# Altium PCB SwarmBotv1.PcbDoc (part 2 of 2)
Units mil, origin at the board's own origin, x right, y up, seen from the top; angles counter-clockwise.
Board outline 2362.21 x 3543.31 mil, 4 copper layers (L1 (signal), Int1 (GND), Int2 (PWR), L4 (signal)), stack 30.945 mil thick; 75 components, 57 nets, 268 pads, 175 vias.
Unrouted connection lines stored in the file: 7.
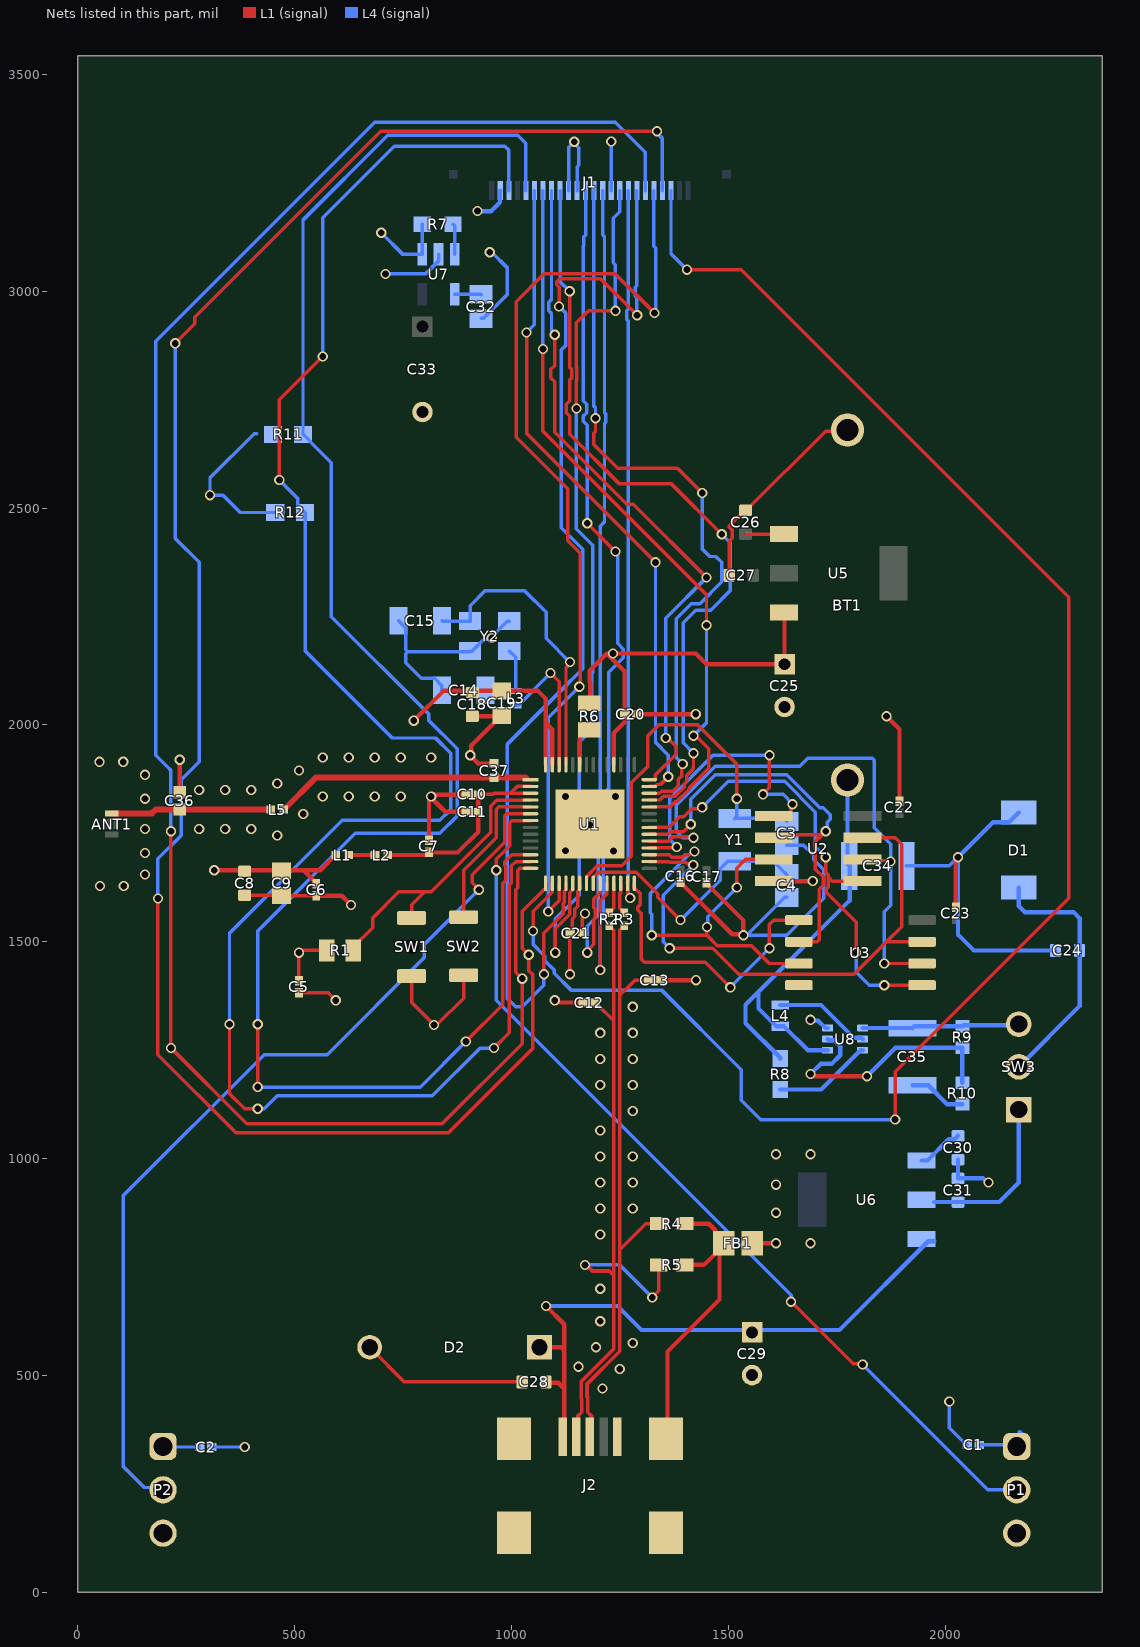
[diagram p4: the nets of this part, all layers, seen from the top]

## Via types
v1: diameter 23.62, hole 15.75, L1 (signal) to L4 (signal), 175 vias

## Nets (pads, with @x,y where several pads share a name; then routed paths per layer and width w, separated by ;. In a path a pad name is that pad's centre, name@x,y a point inside that pad or via, vN(x,y) a via of type N, cw(c..) or ccw(c..) an arc to the next point about the centre after c; other vN are vias at no path point) (continued)
3.3V: C1.1 C2.1 C5.1 C6.1 C8.1 C9.1 C18.1 C19.1 C20.1 C21.1 C24.1 C25.1 D1.1 J1.10 J1.11 L1.1 P1.1 P2.1 R1.1 R6.2 R7.1 R11.1 R12.1 SW3.2 U1.20 U1.46 U1.55 U1.56 U5.3 U7.1 | length 3795.6
  L1 (signal) w8: C5.1@510,1410 v1(510,1475) 513.16,1475 518.16,1480 R1.1@574.45,1480 ; v1(1135,1425) 1135,1509.8 1136.05,1510.85 C21.1@1136.05,1520 1140.03,1523.98 1140.03,1552.5 1146.19,1558.66 1146.19,1574.86 1153.02,1581.69 1153.02,1616.44 1157.48,1620.89 U1.20@1157.48,1634.76
  L1 (signal) w10: v1(315,1665) 520.75,1665 ; C6.1@550,1633.95 550,1635.75 520.75,1665 ; L1.1@595,1700 594.16,1700 559.16,1665 520.75,1665 ; v1(775,2010) 843.54,2078.54 C19.1@978.03,2078.54 1061.46,2078.54 1078.95,2061.05 1078.95,2005 ; U1.56@1078.74,1908.55 1078.84,1908.65 1078.84,2004.9 1078.95,2005 ; U1.55@1094.49,1908.55 1094.49,1989.46 1084.86,1999.09 1084.86,2000.89 1080.75,2005 1078.95,2005 ; R6.2@1180,2050.55 1181.56,2052.12 1181.56,2098.53 1180,2100.09 1180,2125 1220,2165 ; U1.46@1236.22,1908.55 1236.22,1981.22 1261.05,2006.05 C20.1@1261.05,2025 1261.05,2123.95 1220,2165 ; U5.3@1629.02,2259.45 1630,2258.46 C25.1@1630,2140 1450,2140 1425,2165 v1(1234.44,2165) 1220,2165
  L4 (signal) w8: P2.1@196.85,336.22 198.07,335 C2.1@281.05,335 ; 413.31,2671.69 406.69,2671.69 305,2570 v1(305,2530) 335,2530 375,2490 R12.1@455.48,2490 ; v1(700,3135) 750,3085 U7.1@795,3085 795,3154.57 R7.1@794.57,3155 ; J1.10@1131.89,3232.28 1131.89,3331.89 v1(1145,3345) 1145,3340.77 1155,3330.77 1155,3291.11 1151.57,3287.69 J1.11@1151.57,3232.28 ; C1.1@2078.95,340 2161.57,340 P1.1@2165.35,336.22
  L4 (signal) w10: SW3.2@2170,1211.57 2310.3,1351.87 2310.3,1554.5 2296.33,1568.47 2183.97,1568.47 2170,1582.44 D1.1@2170,1625 ; 2171.94,369.76 P1.1@2176.94,364.76
3.3VUSB: C31.1 SW3.1 U6.2 | length 381.8
  L4 (signal) w10: U6.2@1975,900 2125,900 2170,945 SW3.1@2170,1113.15
cam_reset: J1.6 U1.41 | length 1547.7
  L1 (signal) w8: v1(1035,2905) 1035,2672.38 v1(1332.38,2375) ; U1.41@1318,1858.27 1331.86,1858.27 1336.32,1862.73 1343.85,1862.73 v1(1361.9,1880.78)
  L4 (signal) w8: v1(1035,2905) 1053.15,2923.15 J1.6@1053.15,3232.28 ; v1(1332.38,2375) 1332.38,1960.14 1361.9,1930.62 v1(1361.9,1880.78)
GND: BT1.N C1.2 C2.2 C3.2 C4.2 C5.2 C6.2 C7.2 C8.2 C9.2 C10.2 C11.2 C12.2 C13.2 C14.2 C15.2 C16.2 C17.2 C18.2 C19.2 C20.2 C21.2 C22.2 C23.2 C24.2 C25.2 C26.2 C27.2 C28.2 C29.2 C30.2 C31.2 C32.2 C33.2 C34.2 C35.2 C36.2 C37.2 D1.2 D2.2 FB1.2 J1.2 J1.15 P1.3 P2.3 R10.2 SW1.2 SW2.2 U1.57 U2.4 U3.4 U7.2 U8.3 Y2.2 Y2.4 | length 6512.9
  L1 (signal) w8: C8.2@385,1607.44 469.02,1607.44 C9.2@470,1606.46 470.41,1606.05 C6.2@550,1606.05 ; C5.2@510,1382.1 577.9,1382.1 v1(595,1365) ; D2.2@673.27,565 753.27,485 C28.2@1024.88,485 ; SW1.2@770,1421.14 770,1360 v1(821.69,1308.31) 828.31,1308.31 890,1370 SW2.2@890,1423.07 ; C21.2@1163.95,1520 1163.95,1554.72 1170,1560.77 v1(1170,1565) ; C27.2@1502.44,2345 1502.44,2423.77 1508.81,2430.14 1508.81,2449.86 1502.44,2456.23 1502.44,2459.52 1538.04,2495.12 C26.2@1540,2495.12 1541.96,2495.12 1724.61,2677.77 1772.77,2677.77 BT1.N@1775,2680
  L1 (signal) w10: C36.2@235,1845 235.08,1845.08 235.08,1919.76 v1(235.16,1919.84) ; C6.2@550,1606.05 608.95,1606.05 v1(630,1585) ; C7.2@810,1733.95 810,1827.38 v1@815,1832.38 ; C11.2@896.05,1800 847.38,1800 v1@815,1832.38 ; C10.2@896.05,1840 895.23,1839.18 821.8,1839.18 817.62,1835 v1(815,1835) v1@815,1832.38 ; C18.2@910,2020 976.57,2020 C19.2@978.03,2021.46 976.06,2021.46 907.61,1953 907.61,1932.61 v1(905,1930) 924.25,1910.75 C37.2@960,1910.75 ; v1(1100,1365) 1102.62,1365 1107.62,1360 C12.2@1166.05,1360 ; v1(1125,1835) v1(1240,1835) 1235.36,1830.36 v1(1235.36,1709.36) 1234.72,1710 v1(1125,1710) 1115,1700 1115,1705 v1(1180,1770) 1181.1,1771.1 U1.57@1181.1,1771.65 ; C20.2@1288.95,2025 v1(1425,2025) ; C13.2@1344.51,1411.58 v1(1425.56,1411.58) ; C16.2@1390,1637.1 1390,1635.3 1394.11,1631.19 1395.91,1631.19 1509.5,1517.61 1532.39,1517.61 v1(1535,1515) 1535,1549.25 1450,1634.25 C17.2@1450,1636.05 ; FB1.2@1555,805 v1(1610,805) ; U2.4@1605,1640 v1(1695,1640) ; v1(1865,2020) 1895,1990 C22.2@1895,1823.95 ; C23.2@2025,1580 2025,1686.31 2030,1691.31 v1(2030,1695)
  L4 (signal) w8: C2.2@308.95,335 v1(385,335) ; v1(710,3040) 802,3040 832,3070 U7.2@832,3085 ; C15.2@739.8,2240 756.47,2223.33 756.47,2173.21 761.16,2168.53 ; C14.2@839.61,2080 839.61,2090.83 822.94,2107.5 792.5,2107.5 756.47,2143.53 756.47,2163.84 761.16,2168.53 ; C32.2@930,2937.44 934.92,2937.44 990,2992.52 990,3055 955,3090 v1(950,3090) ; Y2.4@995.28,2239.45 990.35,2239.45 954.64,2203.73 v1(954.64,2200.75) 951.65,2197.76 936.86,2197.76 909.65,2170.55 Y2.2@904.72,2170.55 902.7,2168.53 761.16,2168.53 ; J1.15@1230.32,3232.28 v1(1230.32,3345.32) ; v1(1535,1515) 1537.24,1517.24 1544.87,1517.24 1630.05,1602.41 C4.2@1635,1602.41 ; v1@1544.87,1515 1635,1515 1720,1600 1720,1666.33 1696.85,1689.48 1696.85,1699.26 1673.7,1722.41 C3.2@1635,1722.41 ; C34.2@1910.94,1675 2010,1675 v1(2030,1695) ; v1(2010,440) 2010,379.25 2049.25,340 C1.2@2051.05,340
  L4 (signal) w10: v1(922,3185) 953.38,3185 973.63,3205.25 973.63,3231.5 J1.2@974.41,3232.28 ; v1(1690,1320) 1691.85,1318.15 1707.4,1318.15 1724.37,1301.18 U8.3@1729.29,1301.18 ; C35.2@1925,1169.06 1961.44,1169.06 2004.86,1125.63 R10.2@2040,1125.63 ; C30.2@2030,997.44 C31.2@2030,954.61 2087.76,954.61 2097.38,945 v1(2100,945) ; D1.2@2170,1798.23 2147.44,1775.67 2110.67,1775.67 v1(2030,1695) 2030,1516.62 2066.62,1480 C24.2@2254.88,1480
  other v1: 1210,470 1250,515 1155,520 1195,565 1280,575 1205,625 1205,700 1690,805 1205,825 1610,875 1205,885 1280,885 1610,940 1205,945 1280,945 1205,1005 1280,1005 1610,1010 1690,1010 1205,1065 1280,1110 1205,1170 1280,1170 1205,1230 1280,1230 1205,1290 1280,1290 1280,1350 51.19,1628.84 106.19,1628.84 155,1655 155,1705 460,1745 155,1760 280,1760 340,1760 400,1760 520,1795 155,1830 565,1835 625,1835 685,1835 745,1835 280,1850 340,1850 400,1850 460,1865 155,1885 510,1895 50,1915 105,1915 565,1925 625,1925 685,1925 745,1925 815,1925
href: J1.9 U1.39 | length 1796.1
  L1 (signal) w8: v1(1134.41,3000) 1134.41,2824.26 1138.81,2819.86 1138.81,2800.14 1134.41,2795.74 1134.41,2748.08 1126.19,2739.86 1126.19,2720.14 1134.41,2711.92 1134.41,2670.59 1248.21,2556.79 1368.21,2556.79 v1(1485,2440) ; U1.39@1318,1826.77 1318.21,1826.98 1341.98,1826.98 1351.13,1836.13 1377.59,1836.13 1398.27,1856.81 1398.27,1863.33 1404.86,1869.93 1404.86,1883.57 1418.81,1897.52 1418.81,1901.19 1420,1902.38 v1(1420,1935)
  L4 (signal) w8: J1.9@1112.2,3232.28 1112.2,3022.2 v1(1134.41,3000) ; v1(1420,1935) 1396.19,1958.81 1396.19,2236.19 1425,2265 1460,2265 1505,2310 1505,2420 v1(1485,2440)
NetANT1_4: ANT1.4 C36.1 L5.2 | length 370.2
  L1 (signal) w13.52: ANT1.4@78.74,1796.26 170.94,1796.26 180,1805.32 180.16,1805.16 220,1805.16 444.94,1805.16 L5.2@445.1,1805
NetBT1_P: BT1.P C34.1 L4.1 R8.1 U8.1 | length 1015.1
  L4 (signal) w10: R8.1@1620,1230.43 1620,1232.4 1540,1312.4 1540,1355 1570,1385 ; U8.1@1729.29,1250 1683.86,1250 1628.86,1305 L4.1@1620,1305 1611.14,1305 1570,1346.14 1570,1385 ; BT1.P@1775,1872.91 1775,1680 1780,1675 1780,1595 1570,1385
NetC3_1: C3.1 U1.21 Y1.1 | length 934.6
  L1 (signal) w8: U1.21@1173.23,1634.76 1173.23,1649.78 1198.45,1675 1254.5,1675 1276.77,1697.27 1276.77,1866.77 1315,1905 1315,1975 1340,2000 1430,2000 1520,1910 v1(1520,1830)
  L4 (signal) w8: Y1.1@1515,1784.21 Y1.1@1515.79,1785 ; v1(1520,1830) 1520,1789.21 Y1.1@1515.79,1785 ; C3.1@1635,1777.59 1627.59,1785 Y1.1@1515.79,1785
NetC4_1: C4.1 U1.22 Y1.2 | length 586.2
  L1 (signal) w8: U1.22@1189.19,1648.83 1193.44,1653.08 1193.44,1653.72 1200.05,1660.33 1288.14,1660.33 1337.58,1610.9 1337.58,1602.42 v1(1390,1550)
  L4 (signal) w8: v1(1390,1550) 1481.6,1641.6 1481.6,1668.13 1499.25,1685.79 1604.21,1685.79 C4.1@1635,1655
NetC7_1: C7.1 C10.1 C11.1 L2.2 U1.2 U1.3 | length 478.8
  L1 (signal) w8: C10.1@923.95,1840 957.37,1840 959.93,1842.56 997.56,1842.56 ; U1.3@1030.13,1842.56 997.56,1842.56 ; U1.2@1044.21,1858.23 1013.23,1858.23 997.56,1842.56
  L1 (signal) w10: L2.2@715,1700 805.75,1700 810,1704.25 C7.1@810,1706.05 876.05,1706.05 923.95,1753.95 C11.1@923.95,1800 C10.1@923.95,1840
NetC14_1: C14.1 L3.2 Y2.1 | length 168.8
  L4 (signal) w8: C14.1@940,2080 941.54,2078.46 L3.2@1010,2078.46 1010,2155.83 Y2.1@995.28,2170.55
NetC15_1: C15.1 U1.53 Y2.3 | length 688.6
  L1 (signal) w8: U1.53@1125.98,1908.55 1125.98,2131.76 1135,2140.77 v1(1135,2145)
  L4 (signal) w8: C15.1@840.2,2240 840.75,2239.45 Y2.3@904.72,2239.45 904.72,2274.72 940,2310 1030,2310 1080,2260 1080,2200 v1(1135,2145)
NetC26_1: U5.1 | length 89.2
  L1 (signal) w8: 1540,2440 1628.46,2440 U5.1@1629.02,2440.55
NetC30_1: C30.1 U6.1 | length 107.6
  L4 (signal) w10: U6.1@1945.98,995.55 1959.76,995.55 2008.77,1044.56 2022,1044.56 C30.1@2030,1052.56
NetC32_1: C32.1 U7.4 | length 61.2
  L4 (signal) w8: U7.4@869,2993 929.56,2993 C32.1@930,2992.56
NetFB1_1: FB1.1 J2.5 J2.Shell R4.2 R5.2 | length 689.9
  L1 (signal) w10: J2.Shell@1360.2,366.99 1360.2,555.2 1480,675 FB1.1@1480,795.01 ; R5.2@1399.92,755 1443.95,755 FB1.1@1481.98,793.03 ; R4.2@1400,850 1454.98,850 1470.29,834.69 1470.29,824.7 FB1.1@1489.99,805
NetL1_2: L1.2 L2.1 | length 60.4
  L1 (signal) w10: L1.2@624.81,1700 L2.1@685.19,1700
NetL3_1: L3.1 U1.54 | length 331.4
  L1 (signal) w8: v1(1090,2120) 1110.24,2099.76 U1.54@1110.24,1908.55
  L4 (signal) w8: L3.1@1010,2045 1015.91,2045 1090,2119.09 v1(1090,2120)
NetL4_2: L4.2 U8.5 | length 222.6
  L4 (signal) w10: L4.2@1620,1354.21 1714.16,1354.21 1789.91,1278.46 1807.13,1278.46 U8.5@1810,1275.59
NetP1_2: P1.2 U1.7 | length 2149.2
  L1 (signal) w8: v1(965,1665) 965,1690 996.5,1721.5 996.5,1774.84 1001.19,1779.53 U1.7@1044.21,1779.53 ; v1(1645,670) 1788.16,526.84 1808.16,526.84 v1(1810,525)
  L4 (signal) w8: v1(965,1665) 965,1365 1645,685 v1(1645,670) ; v1(1810,525) 2098.78,236.22 P1.2@2165.35,236.22
NetP2_2: P2.2 U1.6 | length 2137.7
  L1 (signal) w8: v1(925,1620) 925,1620.89 910,1635.89 910,1655 985,1730 985,1790.59 989.69,1795.28 U1.6@1044.21,1795.28
  L4 (signal) w8: P2.2@196.85,236.22 191.43,241.65 153.35,241.65 105,290 105,915 430,1240 575,1240 798.73,1463.73 798.73,1493.73 v1(925,1620)
NetR1_2: R1.2 SW1.1 U1.4 | length 677.8
  L1 (signal) w8: R1.2@635.55,1480 635.55,1487.95 680,1532.39 680,1555 740,1615 800,1615 ; SW1.1@770,1555 770,1585 800,1615 ; U1.4@1044.21,1826.77 1044,1826.56 966.56,1826.56 952.5,1812.5 952.5,1752.5 815,1615 800,1615
NetR6_1: R6.1 U1.51 | length 94.9
  L1 (signal) w10: U1.51@1157.48,1908.55 1157.48,1966.93 1159.22,1968.66 1159.22,1976.61 1172.05,1989.45 R6.1@1180,1989.45
NetR7_2: R7.2 U7.3 | length 71.5
  L4 (signal) w8: R7.2@865.43,3155 869,3151.43 U7.3@869,3085
NetR8_2: R8.2 U8.6 | length 227.5
  L4 (signal) w10: R8.2@1620,1159.57 1714.65,1159.57 1805.08,1250 U8.6@1810,1250
NetR9_1: R9.1 R10.1 U8.2 | length 602.6
  L1 (signal) w10: v1(1690,1195) 1692.62,1195 1697.62,1190 v1(1820,1190)
  L4 (signal) w10: v1(1690,1195) 1713.43,1218.43 1738.43,1218.43 1758.3,1238.3 1758.3,1258.89 1744.48,1272.72 1732.17,1272.72 U8.2@1729.29,1275.59 ; v1(1820,1190) 1885.63,1255.63 R9.1@2040,1255.63 R10.1@2040,1175
NetSW2_1: SW2.1 U1.5 | length 360.8
  L1 (signal) w8: SW2.1@890,1556.93 890,1665 965,1740 965,1805 971.02,1811.02 U1.5@1044.21,1811.02
NetU1_28: U1.28 U3.1 | length 673.3
  L1 (signal) w8: U1.28@1283.46,1634.76 1283.46,1625.12 1283.68,1624.91 1283.77,1624.91 1297.72,1610.96 1297.72,1586.46 1291.45,1580.18 1291.45,1573.55 1300,1565 1300,1460 1306.73,1453.27 1446.73,1453.27 v1(1505,1395) ; v1(1595,1485) 1595,1540 1605,1550 U3.1@1663.07,1550
  L4 (signal) w8: v1(1505,1395) v1(1595,1485)
NetU1_30: U1.30 U2.7 U3.7 | length 1305.4
  L1 (signal) w8: U1.30@1318,1685.04 1363.09,1685.04 1364.73,1683.41 1402.22,1683.41 1405.69,1679.93 1416.34,1679.93 v1(1419.33,1676.94) ; v1(1365,1485) 1464.75,1485 1524.75,1425 1790,1425 1865,1500 ; U2.7@1809.72,1740 1885,1740 1900,1725 1900,1535 1865,1500 ; U3.7@1946.93,1500 1865,1500
  L4 (signal) w8: v1(1365,1485) 1350,1500 1350,1607.61 v1(1419.33,1676.94)
NetU1_31: U1.31 U2.3 U3.3 | length 995.4
  L1 (signal) w8: U1.31@1318,1700.79 1363.61,1700.79 1369.49,1694.91 1393.58,1694.91 1399.46,1700.79 1410.19,1700.79 1417.85,1708.45 v1(1422.08,1708.45) ; v1(1323.81,1515) 1451.01,1515 ; v1(1451.01,1533.99) 1451.01,1515 ; v1(1520,1625) 1520,1670 1540,1690 U2.3@1605,1690 ; U3.3@1663.07,1450 1595,1450 1553.81,1491.19 1474.82,1491.19 1451.01,1515
  L4 (signal) w8: v1(1323.81,1515) 1323.81,1563.35 1320,1567.16 1320,1611.28 1409.47,1700.75 1410.16,1700.75 1417.85,1708.45 v1(1422.08,1708.45) ; v1(1451.01,1533.99) 1452.8,1535.78 1452.8,1557.8 v1(1520,1625)
NetU1_32: U1.32 U2.1 | length 692.2
  L1 (signal) w8: U1.32@1318,1716.54 1318.21,1716.75 1379.56,1716.75 v1(1381.54,1718.72) ; v1(1580,1840) 1595,1855 v1(1595,1930) ; U2.1@1605,1790 1636.5,1790 1644.31,1797.81 1644.31,1809.06 1648.17,1812.92 v1(1648.17,1817.15)
  L4 (signal) w8: v1(1381.54,1718.72) 1381.54,1719.32 1365,1735.86 1365,1830 1465,1930 v1(1595,1930) ; v1(1580,1840) 1626.83,1840 1648.17,1818.67 v1(1648.17,1817.15)
NetU1_33: U1.33 U2.6 U3.6 | length 1361.6
  L1 (signal) w8: U1.33@1318,1732.28 1361.43,1732.28 1371.67,1742.53 1417.47,1742.53 v1(1420,1740) ; U2.6@1809.72,1690 1812.22,1687.5 1871.87,1687.5 v1(1874.37,1685) ; v1(1860,1450) U3.6@1946.93,1450
  L4 (signal) w8: v1(1420,1740) 1395,1740 1380,1755 1380,1815 1470,1905 1665,1905 1683.3,1923.3 1832.01,1923.3 1836.7,1918.61 1836.7,1763.3 1875,1725 v1@1875,1685 ; v1(1860,1450) 1860,1569.61 1875,1584.61 1875,1684.37 v1(1874.37,1685)
NetU1_34: U1.34 U2.2 U3.2 | length 1019.8
  L1 (signal) w8: U1.34@1318,1748.03 1360.91,1748.03 1366.91,1754.03 1396.82,1754.03 v1(1413.8,1771.01) ; U2.2@1605,1740 1612.19,1747.19 1712.96,1747.19 1720.77,1755 v1(1725,1755) ; U3.2@1663.07,1500 1705,1500 1710,1505 1710,1621.33 1718.81,1630.14 1718.81,1649.86 1701.19,1667.48 1701.19,1731.19 1715.08,1745.08
  L4 (signal) w8: v1(1413.8,1771.01) 1413.8,1828.8 1470,1885 1635,1885 1711.08,1808.92 1719.04,1808.92 1735,1792.96 1735,1782.81 1727.99,1775.8 1727.99,1757.99 v1(1725,1755)
NetU1_35: U1.35 U2.5 U3.5 | length 1115.9
  L1 (signal) w8: U1.35@1318,1763.78 1360.4,1763.78 1362.15,1765.53 1364.68,1765.53 1387.96,1788.81 1397.93,1788.81 1416.17,1807.05 1436.97,1807.05 v1(1439.96,1810.04) ; v1(1725,1695) 1725,1659.94 1730.31,1654.63 1730.31,1649.69 ; v1(1795,1475) 1795,1545 1725.78,1614.22 1725.78,1620.85 1730.31,1625.37 1730.31,1649.69 ; U2.5@1809.72,1640 1740,1640 1730.31,1649.69 ; v1(1860,1400) U3.5@1946.93,1400
  L4 (signal) w8: v1(1439.96,1810.04) 1499.91,1870 1630,1870 1701.19,1798.81 1701.19,1718.81 v1(1725,1695) ; v1(1795,1475) 1795,1430 1825,1400 v1(1860,1400)
pclk: J1.17 U1.27 | length 1672.1
  L1 (signal) w8: U1.27@1267.72,1634.76 1267.93,1634.55 1267.93,1611.31 1273.91,1605.33 v1(1273.91,1601.1)
  L4 (signal) w8: J1.17@1269.69,3232.28 1269.69,2958.36 1266.19,2954.86 1266.19,2935.14 1269.69,2931.64 1269.69,2179.69 1269.75,2179.63 1269.75,2150.37 1269.69,2150.31 1269.69,1613.6 1270.92,1612.36 1270.92,1604.09 v1(1273.91,1601.1)
pwdn: J1.8 U1.42 | length 1599
  L1 (signal) w8: v1(1100,2900.04) 1100,2828.67 1091.19,2819.86 1091.19,2800.14 1100,2791.33 1100,2675 1266.01,2508.99 1281.01,2508.99 v1(1450,2340) ; U1.42@1332.07,1874.23 1332.07,1884.62 1380,1932.55 1380,1951.33 1375.31,1956.01 1374.4,1956.01 1360.42,1970 v1(1356.19,1970)
  L4 (signal) w8: J1.8@1092.52,3232.28 1092.52,2981.19 1086.19,2974.86 1086.19,2955.14 1092.52,2948.81 1092.52,2907.52 v1(1100,2900.04) ; v1(1356.19,1970) 1356.19,2246.19 v1(1450,2340)
RF_I/O: C37.1 L5.1 U1.1 | length 591.8
  L1 (signal) w13.52: L5.1@474.9,1805 475.75,1805 550,1879.25 C37.1@960,1879.25 1032.57,1879.25 1034.83,1876.99 U1.1@1035,1876.99
SCL: J1.5 R11.2 U1.12 | length 4206.9
  L1 (signal) w8: v1(415,1165) v1(415,1310) ; v1(895,1270) 980,1355 980,1635 986.84,1641.84 986.84,1674.05 985,1675.89 985,1685 1000.79,1700.79 U1.12@1044.21,1700.79
  L4 (signal) w8: v1(415,1165) 790,1165 v1(895,1270) ; v1(415,1310) 415,1525 640,1750 835,1750 875,1790 875,1945 810,2010 810,2025 585,2250 585,2604.52 536.36,2653.16 536.36,2654.08 520.43,2670 R11.2@519.52,2670 519.52,3164.52 715,3360 1015,3360 1033.46,3341.54 J1.5@1033.46,3232.28
SDA: J1.3 R12.2 U1.13 | length 4389.5
  L1 (signal) w8: v1(350,1310) 350,1150 385,1115 v1(415,1115) ; v1(465,2565) 465,2750 v1(565,2850) ; v1(960,1255) 995,1290 995,1630 1000,1635 1000,1675 1010.04,1685.04 U1.13@1044.21,1685.04
  L4 (signal) w8: v1(350,1310) 350,1520 610,1780 835,1780 860,1805 860,1935 825,1970 725,1970 524.52,2170.48 R12.2@524.52,2490 523.6,2490 507.68,2505.92 507.68,2522.32 v1(465,2565) ; v1(415,1115) 430,1115 460,1145 817.89,1145 927.89,1255 v1(960,1255) ; v1(565,2850) 565,3170 730,3335 985,3335 994.09,3325.91 J1.3@994.09,3232.28
USB1_N: C12.1 J2.2 R2.2 R5.1 | length 1610.2
  L1 (signal) w8.56: J2.2@1153.5,371.91 1153.5,406.36 1162.47,415.32 1162.47,444.62 1161.03,446.06 1161.03,486.03 1236.28,561.28 1236.28,730 1236.1,730.18 ; v1(1170,755) 1173.01,755 1187.25,740.76 1225.52,740.76 1236.1,730.18 ; C12.1@1193.95,1360 1195.75,1360 1200.57,1355.17 1200.57,1353.37 1236.1,1317.85 1236.1,730.18 ; R2.2@1225.56,1537.05 1225.56,1536.07 1230.14,1531.49 1231.26,1531.49 1236.28,1526.47 1236.28,1317.85 ; v1(1325,680) 1340.08,695.08 R5.1@1340.08,755
  L4 (signal) w8.56: v1(1170,755) 1250,755 v1(1325,680)
USB1_P: C13.1 J2.3 R3.2 R4.1 | length 1402.2
  L1 (signal) w8.56: J2.3@1185,371.91 1185,406.36 1176.03,415.32 1176.03,450.24 1174.59,451.68 1174.59,480.41 1249.84,555.66 1249.84,790 ; R3.2@1260.56,1537.05 1260.56,1536.07 1255.99,1531.49 1254.86,1531.49 1249.84,1526.47 1249.84,1376.58 ; C13.1@1316.61,1411.58 1284.84,1411.58 1249.84,1376.58 ; R4.1@1340.16,850 1309.84,850 1249.84,790 ; 1249.84,790 1249.84,1376.58
USB_N: R2.1 U1.25 | length 63.2
  L1 (signal) w8.56: R2.1@1232.31,1573.18 1236.25,1577.13 1236.25,1613.46 ; 1236.22,1613.49 U1.25@1236.22,1634.76
USB_P: R3.1 U1.26 | length 74.4
  L1 (signal) w8.56: U1.26@1251.97,1634.76 1252.29,1634.43 1252.29,1613.82 1249.81,1611.34 1249.81,1577.18 1254.86,1572.14 1255.99,1572.14 1260.56,1567.56 R3.1@1260.56,1566.58
Vbat: C35.1 R9.2 SW3.3 U8.4 | length 363.8
  L4 (signal) w10: U8.4@1810,1301.18 1924.76,1301.18 C35.1@1925,1300.94 1929.06,1305 R9.2@2040,1305 2042.5,1307.5 2167.5,1307.5 SW3.3@2170,1310
VBUS: C28.1 C29.1 D2.1 J2.1 U6.3 | length 1416.4
  L1 (signal) w10: D2.1@1065,565 1115,565 1122.01,557.99 ; C28.1@1080,485 1081.85,483.15 1108,483.15 1122.01,469.14 ; v1(1080,660) 1122.01,617.99 1122.01,557.99 ; J2.1@1122.01,371.91 1122.01,469.14 ; 1122.01,469.14 1122.01,557.99
  L4 (signal) w10: v1(1080,660) 1245,660 1300,605 1756.77,605 1961.22,809.45 U6.3@1975,809.45
vsync: J1.7 U1.38 | length 1693.8
  L1 (signal) w8: v1(1072.83,2867.17) 1072.83,2677.17 1450,2300 v1(1450,2230) ; U1.38@1318,1811.02 1366.02,1811.02 1379.63,1824.63 1382.35,1824.63 1409.77,1852.05 1409.77,1854.77 1455,1900 1455,1945 1425,1975 v1(1420,1975)
  L4 (signal) w8: v1(1072.83,2867.17) J1.7@1072.83,3232.28 ; v1(1420,1975) 1450,2005 v1(1450,2230)
xclk: J1.13 U1.40 | length 1712.8
  L1 (signal) w8: v1(1193.99,2707.5) 1193.99,2677.08 1190,2673.09 1190,2646.89 1244.92,2591.97 1383.03,2591.97 v1(1440,2535) ; U1.40@1332.07,1842.73 1341.47,1842.73 1346.37,1847.63 1372.82,1847.63 1385,1859.81 1385,1875 1393.36,1883.36 1393.36,1908.36 v1(1395,1910)
  L4 (signal) w8: J1.13@1190.94,3232.28 1190.47,3231.81 1190.47,2735.31 1193.99,2731.79 v1(1193.99,2707.5) ; v1(1395,1910) 1380,1925 1380,2245 1415,2280 1435,2280 1485,2330 1485,2375 1471.49,2388.51 1457.18,2388.51 1440.68,2405 1440.68,2534.32 v1(1440,2535)
Y2: J1.19 U1.14 | length 4498
  L1 (signal) w8: v1(215,1755) v1(215,1255) 390,1080 840,1080 1025,1265 v1(1025,1415) 1010,1430 1010,1620 1015,1625 1015,1664.39 1019.69,1669.08 1044,1669.08 U1.14@1044.21,1669.29
  L4 (signal) w8: v1(215,1755) 215,1895 206.25,1903.75 180,1930 180,2885 685,3390 1240,3390 1309.06,3320.94 J1.19@1309.06,3232.28
Y3: J1.21 U1.15 | length 4599.8
  L1 (signal) w8: v1(185,1600) 185,1240 365,1060 855,1060 1048.81,1253.81 1048.81,1424.86 1040,1433.67 v1(1040,1470) 1025,1485 1025,1570 1075.68,1620.68 1078.53,1620.68 1078.74,1620.89 U1.15@1078.74,1634.76 ; v1(225,2880) 270,2925 270,2940 699.13,3369.13 v1(1335.87,3369.13)
  L4 (signal) w8: v1(185,1600) 185,1691.33 238.81,1745.14 238.81,1873.81 280,1915 280,2375 225,2430 v1(225,2880) ; v1(1335.87,3369.13) 1335.87,3364.9 1348.43,3352.35 J1.21@1348.43,3232.28
Y4: J1.22 U1.16 | length 3973.9
  L1 (signal) w8: v1(1050,1525) 1050,1570 1094.49,1614.49 U1.16@1094.49,1634.76 ; v1(1405,3050) 1530,3050 2285,2295 2285,1600 1885,1200 v1(1885,1090)
  L4 (signal) w8: v1(1050,1525) 1050,1493.67 1077.38,1466.3 1077.38,1456.3 1098.81,1434.86 1098.81,1427.52 1137.57,1388.76 1346.24,1388.76 1530,1205 1530,1135 1575,1090 v1(1885,1090) ; J1.22@1368.11,3232.28 1368.11,3086.89 v1(1405,3050)
Y5: J1.20 U1.17 | length 2240.8
  L1 (signal) w8: v1(1085,1570) 1110.24,1595.24 U1.17@1110.24,1634.76 ; v1(1156.75,2088.25) 1158.81,2090.31 1158.81,2396.19 1130,2425 1130,2545 1011.19,2663.81 1011.19,2976.19 1075,3040 1240,3040 v1(1330,2950)
  L4 (signal) w8: v1(1085,1570) 1085,2016.5 v1(1156.75,2088.25) ; J1.20@1328.74,3232.28 1328.74,3103.97 1332.87,3099.85 1332.87,2952.87 v1(1330,2950)
Y6: J1.18 U1.18 | length 2640.9
  L1 (signal) w8: v1(1075,1425) 1075,1520 1120,1565 1120,1588.74 1121.74,1590.47 1121.74,1616.65 1125.98,1620.89 U1.18@1125.98,1634.76 ; v1(1110,2965) 1110,3010 1105,3015 1105,3021.63 1111.87,3028.5 1206.5,3028.5 v1(1290,2945)
  L4 (signal) w8: v1(1075,1425) 1075,1400 1025,1350 1010,1350 990,1370 990,1955 1132.94,2097.94 1132.94,2098.11 1146.89,2112.06 1147.06,2112.06 1165,2130 1165,2405 1115,2455 1115,2715.06 1114.69,2715.37 1114.69,2744.63 1115,2744.94 1115,2865 1125,2875 1125,2950 v1(1110,2965) ; J1.18@1289.37,3232.28 1289.37,3013.04 1285.24,3008.92 1285.24,2989.19 1289.37,2985.07 1289.37,2945.63 v1(1290,2945)
Y7: J1.16 U1.19 | length 2053.6
  L1 (signal) w8: v1(1101.19,1475) 1101.19,1529.93 1134.69,1563.43 1134.69,1579.63 1135,1579.94 1135,1613.52 1137.27,1615.8 1137.27,1616.01 1137.48,1616.22 1137.48,1616.65 U1.19@1141.52,1620.68 ; v1(1150,2730) 1150,2795.06 1150.31,2795.37 1150.31,2824.63 1150,2824.94 1150,2927.11 1177.89,2955 v1(1240,2955)
  L4 (signal) w8: v1(1101.19,1475) 1101.19,1552.52 1156.19,1607.52 1156.19,1960.21 1185,1989.02 1185,2117.47 1188,2120.47 1188,2414.53 1150,2452.53 v1(1150,2730) ; v1(1240,2955) 1240,3050 1240,3061.45 1236.45,3065 1235,3066.45 1235,3168.67 1250,3183.67 J1.16@1250,3232.28
Y8: J1.14 U1.23 | length 1958.1
  L1 (signal) w8: v1(1175,1475) 1175,1479.23 1190,1494.23 1190,1551.33 1193.81,1555.14 1193.81,1574.86 1190,1578.67 1190,1598.74 1204.51,1613.25 1204.51,1634.55 U1.23@1204.72,1634.76
  L4 (signal) w8: v1(1175,1475) 1175,1536.33 1200.05,1561.37 1200.05,1723.99 1210.63,1734.57 1210.63,1814.43 1204.69,1820.37 1204.69,2458.19 1214.76,2468.26 1214.76,2694.59 1217.8,2697.64 1217.8,2717.36 1214.76,2720.41 1214.76,3125.81 1210.63,3129.93 J1.14@1210.63,3232.28
Y9: J1.12 U1.24 | length 2079.6
  L1 (signal) w8: v1(1175,2465) v1(1240,2400) ; v1(1205,1435) 1205,1550.06 1205.31,1550.37 1205.31,1579.63 1205,1579.94 1205,1595 1220.47,1610.47 U1.24@1220.47,1634.76
  L4 (signal) w8: J1.12@1171.26,3232.28 1171.26,3129.93 1167.13,3125.81 1167.13,3106.08 1166.19,3105.14 1166.19,2747.48 1173.81,2739.86 1173.81,2720.14 1166.19,2712.52 1166.19,2700.14 1175,2691.33 v1(1175,2465) ; v1(1205,1435) 1205,1550 1211.55,1556.55 1211.55,1719.22 1225,1732.68 1225,1816.33 1216.19,1825.14 1216.19,1844.86 1225,1853.67 1225,2121.89 1258.25,2155.14 1258.25,2174.86 1245,2188.11 1245,2395 v1(1240,2400)
pads on no net: ANT1.1 ANT1.2-3 ANT1.5-6 C26.S J1.1 J1.23 J1.24 J1.S1 J1.S2 J2.4 SW1.H1 SW2.H1 U1.8 U1.9 U1.10 U1.11 U1.36 U1.37 U1.43 U1.44 U1.45 U1.47 U1.48 U1.49 U1.50 U1.52 U5.4 U6.4
copper on no net: | length 5
  L1 (signal) w10: v1@1685,1010 v1(1690,1010)

## Polygon pours and split planes (outlines as drawn)
GND on Int1 (GND) (split plane): 2342.11,20.1 20.1,20.1 20.1,1655 130,1655 130,1890 20.1,1890 20.1,3523.21 2342.11,3523.21
3.3V on Int2 (PWR) (split plane): 2342.11,20.1 20.1,20.1 20.1,1655 130,1655 130,1890 20.1,1890 20.1,3523.21 2342.11,3523.21

## Keep-outs
Keep-Out Layer:
  rectangle: 29.53,1653.54 127.95,1889.76
  lines w5: 0,0 2362.21,0 2362.21,3543.31 0,3543.31 0,0

## Other copper
L4 (signal):
  text "Battery Power" at 2053.94,1525.5 h19.68
  text "USB Power" at 2088.94,853.94 h19.68
Int1 (GND) (plane layer: these items are gaps in the copper):
  region: 20,1890 130,1890 130,1655 20,1655
Int2 (PWR) (plane layer: these items are gaps in the copper):
  region: 20,1890 130,1890 130,1655 125,1655 120,1655 20,1655
Multi-Layer:
  the board outline again, w39.37